# KiCad board Duet3_MB_6HC.kicad_pcb (continued)
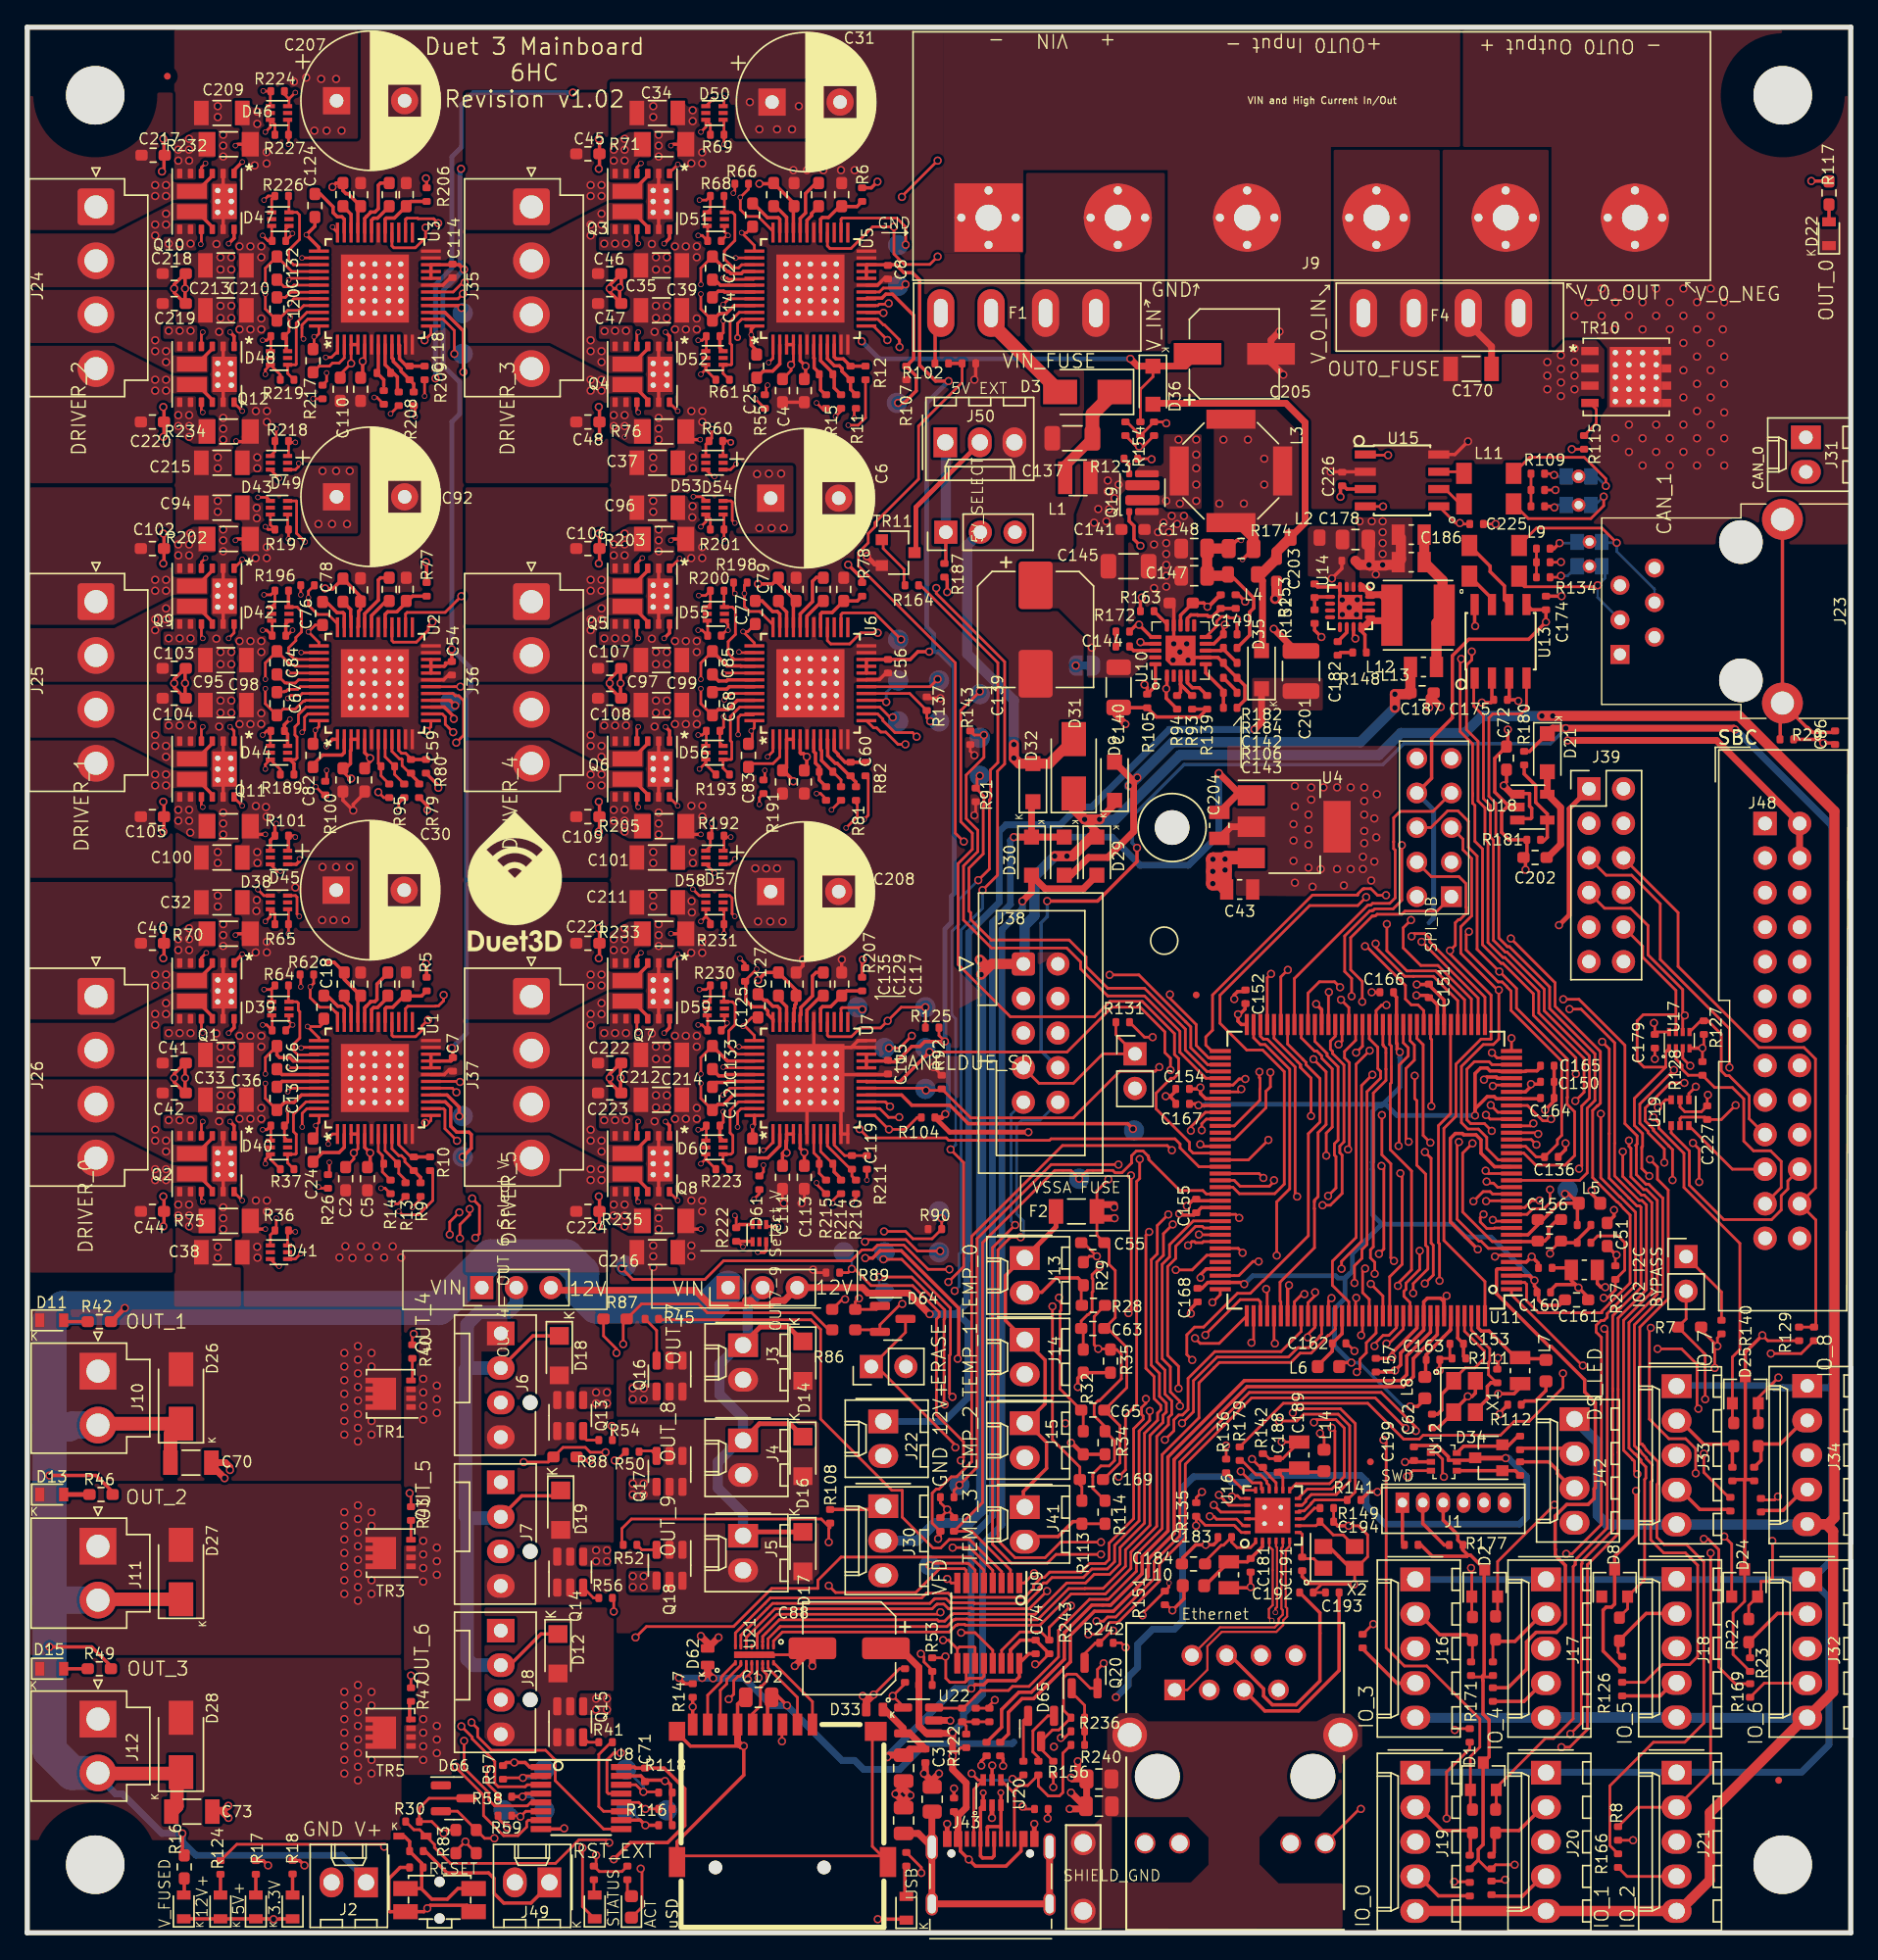
[diagram p0: board, top side]
## Copper pours and planes (outline as drawn; the poured copper is in the pictures) (continued)
+3.3V on Bottom: 90,79.8 90,75.5 100.5,75.5 100.5,74.5 134,74.5 134,32 110.1,32 109.9,30.9 98.6,30.9 98.6,33.5 85.3,33.5 85.3,22.4 82.4,22.4 77.3,13.4 70.6,13.4 70.6,79.8
/Power/5V_VCC on Top: 96.8,99.4 96.8,98.56 97.6,98.56 97.6,103.36 94.1,103.36 94.1,99.66
/Power/12v_cs on Top, Bottom: 94,109.7 94,103.4 87.2,103.4 87.2,112.2 91.5,112.2
/Power/12v_lx on Top, Bottom: 86.3,104.6 83.7,104.6 83.4,104.9 80.8,104.9 80.8,105.6 83.4,105.6 83.6,105.8 83.6,106.8 83.4,107 81.5,107 81.5,107.5 81.8,107.8 83.3,107.8 83.5,108 83.5,110.1 86.3,110.1
/Power/12v_sup on Top: 79.7,108.3 80.6,106.7 83.2,106.7 83.2,106 80.7,106 80.3,105.6 80.3,104.2 80.6,103.9 80.6,94.2 81,93.9 83.3,93.9 83.3,93.5 82.4,93.5 81.1,92.2 77.9,92.2 77.9,95.2 75.8,97.3 73.4,97.3 73.4,100.7 76.5,100.7 77.1,101.9 77.1,104.2 77.6,105.5 77.6,108.3
/Power/12v_sup on Bottom: 79.7,108.3 80.6,106.7 83.2,106.7 83.2,106 80.7,106 80.3,105.6 80.3,104.2 79.8,102.8 77.6,102.8 77.1,104.2 77.6,105.5 77.6,108.3
GND on Top: 105.3,131.2 95.8,131.2 95.8,116 112,116 113,117 115.3,117 115.9,116.3 115.9,112.2 113.1,107.9 104.7,107.9 104.7,104.6 94.3,104.6 94.3,109.9 91.4,112.6 83.8,112.6 83.8,129.5 73.2,129.5 73.2,123.4 67.3,123.4 67.3,140.1 105.3,140.1
GND on Top: 15.08,46 27.68,46 27.68,11.6 33.38,11.6 33.38,42.7 35.28,42.7 35.28,135.2 47.28,135.2 47.28,46 68.48,46 68.48,67.9 77.6,72.9 77.66,114.8 72.98,114.9 72.98,123.3 67.38,129.1 67.38,140.1 15.28,140.1
GND on Top: 88.18,87.2 100.68,87.2 100.68,76.1 88.18,76.2
GND on Top: 42.9,16 40.6,16 40.6,17.6 42.9,17.6
GND on Top: 44.2,33.4 46.5,33.4 46.5,31.8 44.2,31.8
GND on Top: 44.2,40.4 46.5,40.4 46.5,38.8 44.2,38.8
GND on Top: 83.7,104.4 85.1,104.4 85.7,103.8 85.7,96.6 85,95.9 85,94.8 84.8,94.6 81.7,94.6 80.9,95.1 80.9,104 81.5,104.3 81.5,104.6 81.6,104.7 83.4,104.7
GND on Top: 42.9,26.9 40.6,26.9 40.6,28.5 42.9,28.5
GND on Top: 42.9,38.5 40.6,38.5 40.6,40.1 42.9,40.1
GND on Top: 101.8,99.5 97.9,99.5 97.9,100.3 97.4,100.7 97.4,101 97.7,101 97.7,104 101.8,104
GND on Top: 44.2,26.6 46.5,26.6 46.5,25 44.2,25
GND on Bottom: 62.2,115.3 92.1,115.3 92.1,80 68,80 68.41,13.7 59.71,13.7 59.71,0 33.31,0.1 33.31,45.8 54.31,45.8 54.3,73.6 56.6,73.6 56.6,79 54.3,79 54.3,102.6 56.5,102.6 56.5,108 54.3,108 54.21,127.5 55.84,129.7 62.19,129.7
GND on Bottom: 22.3,49 32,49 32,135 30,135 22.2,127.3
GND on Bottom: 95.8,116 95.8,131.2 105.3,131.2 105.3,140.1 67.3,140.1 67.3,123.4 73.2,123.4 73.2,129.5 83.8,129.5 83.8,113 91.6,113 91.6,104.5 104.7,104.5 104.7,99.2 98.5,99.2 98.5,95.4 91.8,95.4 91.8,80.2 90.2,80.2 90.2,75.8 124.3,75.8 124.4,90.1 118.5,90.1 115.3,92.7 115.3,102.9 113.1,105.1 113.1,107.9 115.9,112.2 115.9,116.3 115.3,117 113,117 112,116
GND on Bottom: 104.5,99.4 97.7,99.4 99,97.9 99,97 97.8,95.6 92.3,95.6 92.3,103.2 94.2,103.2 94.2,104.3 104.5,104.3
GND on In2.Cu: 134,0 134,140 0,140 0.1,0
/Comms/SHIELD_GND on Top: 98.1,15.2 98.1,13.7 96.6,12.4 96.6,10.2 94.95,8.53 91.95,8.53 90.56,7.03 90.56,5.03 91.95,3.63 96.66,3.63 96.66,0.34 76.45,0.31 76.45,7.94 78.37,7.94 78.95,8.5 78.95,12.63 79.36,13.44 79.36,15.24 80.25,16.13 81.64,16.13 82.34,15.53 94.75,15.53 95.8,16.1 97.2,16.1
/Stepper Driver & Endstops/D0_SRAT on Top: 10.8,67.6 10.8,66.6 10,66.6 10,65.6 12.5,65.6 12.5,67.6
/Stepper Driver & Endstops/D0_SRAT on Top: 12.4,71.8 13,72.4 13.8,72.4 13.8,74.3 12.2,74.3 10.8,73.5 10.8,70.8 12.4,70.8
/Stepper Driver & Endstops/D0_SRAT on Bottom: 10.9,73.3 10.9,66.6 10,66.6 10,65.6 13.4,65.6 13.4,73.3
/Stepper Driver & Endstops/D0_SRBT on Top: 12.4,53.9 13,53.3 13.8,53.3 13.8,51.4 12.2,51.4 10.8,52.2 10.8,54.9 12.4,54.9
/Stepper Driver & Endstops/D0_SRBT on Top: 10.8,58.1 10.8,59.1 10,59.1 10,60.1 12.5,60.1 12.5,58.1
/Stepper Driver & Endstops/D0_SRBT on Bottom: 10.9,52.4 10.9,59.1 10,59.1 10,60.1 13.4,60.1 13.4,52.4
/Stepper Driver & Endstops/D1_SRAT on Top: 10.8,96.6 10.8,95.6 10,95.6 10,94.6 12.5,94.6 12.5,96.6
/Stepper Driver & Endstops/D1_SRAT on Top: 12.4,100.8 13,101.4 13.8,101.4 13.8,103.3 12.2,103.3 10.8,102.5 10.8,99.8 12.4,99.8
/Stepper Driver & Endstops/D1_SRAT on Bottom: 10.9,102.3 10.9,95.6 10,95.6 10,94.6 13.4,94.6 13.4,102.3
/Stepper Driver & Endstops/D1_SRBT on Top: 10.8,87.1 10.8,88.1 10,88.1 10,89.1 12.5,89.1 12.5,87.1
/Stepper Driver & Endstops/D1_SRBT on Top: 12.4,82.9 13,82.3 13.8,82.3 13.8,80.4 12.2,80.4 10.8,81.2 10.8,83.9 12.4,83.9
/Stepper Driver & Endstops/D1_SRBT on Bottom: 10.9,81.2 10.9,88.1 10,88.1 10,89.1 13.4,89.1 13.4,81.2
/Stepper Driver & Endstops/D2_SRAT on Top: 10.8,125.6 10.8,124.6 10,124.6 10,123.6 12.5,123.6 12.5,125.6
/Stepper Driver & Endstops/D2_SRAT on Top: 12.4,129.8 13,130.4 13.8,130.4 13.8,132.3 12.2,132.3 10.8,131.5 10.8,128.8 12.4,128.8
/Stepper Driver & Endstops/D2_SRAT on Bottom: 10.9,131.3 10.9,124.6 10,124.6 10,123.6 13.4,123.6 13.4,131.3
/Stepper Driver & Endstops/D2_SRBT on Top: 12.4,111.9 13,111.3 13.8,111.3 13.8,109.4 12.2,109.4 10.8,110.2 10.8,112.9 12.4,112.9
/Stepper Driver & Endstops/D2_SRBT on Top: 10.8,116.1 10.8,117.1 10,117.1 10,118.1 12.5,118.1 12.5,116.1
/Stepper Driver & Endstops/D2_SRBT on Bottom: 10.9,110.4 10.9,117.1 10,117.1 10,118.1 13.4,118.1 13.4,110.4
/Stepper Driver & Endstops/D3_SRAT on Top: 42.8,125.6 42.8,124.6 42,124.6 42,123.6 44.5,123.6 44.5,125.6
/Stepper Driver & Endstops/D3_SRAT on Top: 44.4,129.8 45,130.4 45.8,130.4 45.8,132.3 44.2,132.3 42.8,131.5 42.8,128.8 44.4,128.8
/Stepper Driver & Endstops/D3_SRAT on Bottom: 42.9,131.3 42.9,124.6 42,124.6 42,123.6 45.4,123.6 45.4,131.3
/Stepper Driver & Endstops/D3_SRBT on Top: 42.8,116.1 42.8,117.1 42,117.1 42,118.1 44.5,118.1 44.5,116.1
/Stepper Driver & Endstops/D3_SRBT on Top: 44.4,111.9 45,111.3 45.8,111.3 45.8,109.4 44.2,109.4 42.8,110.2 42.8,112.9 44.4,112.9
/Stepper Driver & Endstops/D3_SRBT on Bottom: 42.9,110.4 42.9,117.1 42,117.1 42,118.1 45.4,118.1 45.4,110.4
/Stepper Driver & Endstops/D4_SRAT on Top: 42.8,96.6 42.8,95.6 42,95.6 42,94.6 44.5,94.6 44.5,96.6
/Stepper Driver & Endstops/D4_SRAT on Top: 44.4,100.8 45,101.4 45.8,101.4 45.8,103.3 44.2,103.3 42.8,102.5 42.8,99.8 44.4,99.8
/Stepper Driver & Endstops/D4_SRAT on Bottom: 42.9,102.3 42.9,95.6 42,95.6 42,94.6 45.4,94.6 45.4,102.3
/Stepper Driver & Endstops/D4_SRBT on Top: 44.4,82.9 45,82.3 45.8,82.3 45.8,80.4 44.2,80.4 42.8,81.2 42.8,83.9 44.4,83.9
/Stepper Driver & Endstops/D4_SRBT on Top: 42.8,87.1 42.8,88.1 42,88.1 42,89.1 44.5,89.1 44.5,87.1
/Stepper Driver & Endstops/D4_SRBT on Bottom: 42.9,81.4 42.9,88.1 42,88.1 42,89.1 45.4,89.1 45.4,81.4
/Stepper Driver & Endstops/D5_SRAT on Top: 44.4,71.8 45,72.4 45.8,72.4 45.8,74.3 44.2,74.3 42.8,73.5 42.8,70.8 44.4,70.8
/Stepper Driver & Endstops/D5_SRAT on Top: 42.8,67.6 42.8,66.6 42,66.6 42,65.6 44.5,65.6 44.5,67.6
/Stepper Driver & Endstops/D5_SRAT on Bottom: 42.9,73.3 42.9,66.6 42,66.6 42,65.6 45.4,65.6 45.4,73.3
/Stepper Driver & Endstops/D5_SRBT on Top: 44.4,53.9 45,53.3 45.8,53.3 45.8,51.4 44.2,51.4 42.8,52.2 42.8,54.9 44.4,54.9
/Stepper Driver & Endstops/D5_SRBT on Top: 42.8,58.1 42.8,59.1 42,59.1 42,60.1 44.5,60.1 44.5,58.1
/Stepper Driver & Endstops/D5_SRBT on Bottom: 42.9,52.4 42.9,59.1 42,59.1 42,60.1 45.4,60.1 45.4,52.4
DRIVER_0_A1 on Top: 10.7,69.1 13.3,69.1 13.3,67.8 10.7,67.8 10.7,62.9 0.2,62.9 0.2,66.85 6.4,66.85
DRIVER_0_A1 on Bottom: 0.2,62.9 10.8,62.9 10.8,65.4 9.8,65.4 9.8,66.8 10.7,66.8 10.7,69.1 6.4,66.85 0.2,66.85
DRIVER_0_A2 on Top: 0.2,67.1 6.4,67.1 10.7,69.3 13.3,69.3 13.3,70.6 11.6,70.6 11.6,70.9 10.7,70.9 10.7,77.2 0.2,77.2
DRIVER_0_A2 on Bottom: 0.2,67.1 6.4,67.1 10.7,69.3 10.7,77.2 0.2,77.2
DRIVER_0_B1 on Top: 0.2,58.6 6.4,58.6 10.7,56.4 13.3,56.4 13.3,55.1 10.7,55.1 10.7,48.5 0.2,48.5
DRIVER_0_B1 on Bottom: 0.2,58.6 6.4,58.6 10.7,56.4 10.7,48.5 0.2,48.5
DRIVER_0_B2 on Top: 10.7,57.9 13.3,57.9 13.3,56.6 10.7,56.6 6.4,58.8 0.2,58.8 0.2,62.7 10.7,62.7
DRIVER_0_B2 on Bottom: 0.2,62.7 10.8,62.7 10.8,60.3 9.8,60.3 9.8,58.9 10.7,58.9 10.7,56.6 6.4,58.8 0.2,58.8
DRIVER_1_A1 on Top: 10.7,98.1 13.3,98.1 13.3,96.8 10.7,96.8 10.7,91.9 0.2,91.9 0.2,95.85 6.4,95.85
DRIVER_1_A1 on Bottom: 0.2,91.9 10.8,91.9 10.8,94.4 9.8,94.4 9.8,95.8 10.7,95.8 10.7,98.1 6.4,95.85 0.2,95.85
DRIVER_1_A2 on Top: 0.2,96.1 6.4,96.1 10.7,98.3 13.3,98.3 13.3,99.6 11.6,99.6 11.6,99.9 10.7,99.9 10.7,106.2 0.2,106.2
DRIVER_1_A2 on Bottom: 0.2,96.1 6.4,96.1 10.7,98.3 10.7,106.2 0.2,106.2
DRIVER_1_B1 on Top: 0.2,87.6 6.4,87.6 10.7,85.4 13.3,85.4 13.3,84.1 10.7,84.1 10.7,77.5 0.2,77.5
DRIVER_1_B1 on Bottom: 0.2,87.6 6.4,87.6 10.7,85.4 10.7,77.5 0.2,77.5
DRIVER_1_B2 on Top: 10.7,86.9 13.3,86.9 13.3,85.6 10.7,85.6 6.4,87.8 0.2,87.8 0.2,91.7 10.7,91.7
DRIVER_1_B2 on Bottom: 0.2,91.7 10.8,91.7 10.8,89.3 9.8,89.3 9.8,87.9 10.7,87.9 10.7,85.6 6.4,87.8 0.2,87.8
DRIVER_2_A1 on Top: 10.7,127.1 13.3,127.1 13.3,125.8 10.7,125.8 10.7,120.9 0.2,120.9 0.2,124.85 6.4,124.85
DRIVER_2_A1 on Bottom: 0.2,120.9 10.8,120.9 10.8,123.4 9.8,123.4 9.8,124.8 10.7,124.8 10.7,127.1 6.4,124.85 0.2,124.85
DRIVER_2_A2 on Top: 0.2,125.1 6.4,125.1 10.7,127.3 13.3,127.3 13.3,128.6 11.6,128.6 11.6,128.9 10.7,128.9 10.7,135.2 0.2,135.2
DRIVER_2_A2 on Bottom: 0.2,125.1 6.4,125.1 10.7,127.3 10.7,135.2 0.2,135.2
DRIVER_2_B1 on Top: 0.2,116.6 6.4,116.6 10.7,114.4 13.3,114.4 13.3,113.1 10.7,113.1 10.7,106.5 0.2,106.5
DRIVER_2_B1 on Bottom: 0.2,116.6 6.4,116.6 10.7,114.4 10.7,106.5 0.2,106.5
DRIVER_2_B2 on Top: 10.7,115.9 13.3,115.9 13.3,114.6 10.7,114.6 6.4,116.8 0.2,116.8 0.2,120.7 10.7,120.7
DRIVER_2_B2 on Bottom: 0.2,120.7 10.8,120.7 10.8,118.3 9.8,118.3 9.8,116.9 10.7,116.9 10.7,114.6 6.4,116.8 0.2,116.8
DRIVER_3_A1 on Top: 42.7,127.1 45.3,127.1 45.3,125.8 42.7,125.8 42.7,120.9 32.2,120.9 32.2,124.85 38.4,124.85
DRIVER_3_A1 on Bottom: 32.2,120.9 42.8,120.9 42.8,123.4 41.8,123.4 41.8,124.8 42.7,124.8 42.7,127.1 38.4,124.85 32.2,124.85
DRIVER_3_A2 on Top: 32.2,125.1 38.4,125.1 42.7,127.3 45.3,127.3 45.3,128.6 43.6,128.6 43.6,128.9 42.7,128.9 42.7,135.2 32.2,135.2
DRIVER_3_A2 on Bottom: 32.2,125.1 38.4,125.1 42.7,127.3 42.7,135.2 32.2,135.2
DRIVER_3_B1 on Top: 32.2,116.6 38.4,116.6 42.7,114.4 45.3,114.4 45.3,113.1 42.7,113.1 42.7,106.5 32.2,106.5
DRIVER_3_B1 on Bottom: 32.2,116.6 38.4,116.6 42.7,114.4 42.7,106.5 32.2,106.5
DRIVER_3_B2 on Top: 42.7,115.9 45.3,115.9 45.3,114.6 42.7,114.6 38.4,116.8 32.2,116.8 32.2,120.7 42.7,120.7
DRIVER_3_B2 on Bottom: 32.2,120.7 42.8,120.7 42.8,118.3 41.8,118.3 41.8,116.9 42.7,116.9 42.7,114.6 38.4,116.8 32.2,116.8
DRIVER_4_A1 on Top: 42.7,98.1 45.3,98.1 45.3,96.8 42.7,96.8 42.7,91.9 32.2,91.9 32.2,95.85 38.4,95.85
DRIVER_4_A1 on Bottom: 32.2,91.9 42.8,91.9 42.8,94.4 41.8,94.4 41.8,95.8 42.7,95.8 42.7,98.1 38.4,95.85 32.2,95.85
DRIVER_4_A2 on Top: 32.2,96.1 38.4,96.1 42.7,98.3 45.3,98.3 45.3,99.6 43.6,99.6 43.6,99.9 42.7,99.9 42.7,106.2 32.2,106.2
DRIVER_4_A2 on Bottom: 32.2,96.1 38.4,96.1 42.7,98.3 42.7,106.2 32.2,106.2
DRIVER_4_B1 on Top: 32.2,87.6 38.4,87.6 42.7,85.4 45.3,85.4 45.3,84.1 42.7,84.1 42.7,77.5 32.2,77.5
DRIVER_4_B1 on Bottom: 32.2,87.6 38.4,87.6 42.7,85.4 42.7,77.5 32.2,77.5
DRIVER_4_B2 on Top: 42.7,86.9 45.3,86.9 45.3,85.6 42.7,85.6 38.4,87.8 32.2,87.8 32.2,91.7 42.7,91.7
DRIVER_4_B2 on Bottom: 32.2,91.7 42.8,91.7 42.8,89.3 41.8,89.3 41.8,87.9 42.7,87.9 42.7,85.6 38.4,87.8 32.2,87.8
DRIVER_5_A1 on Top: 42.7,69.1 45.3,69.1 45.3,67.8 42.7,67.8 42.7,62.9 32.2,62.9 32.2,66.85 38.4,66.85
DRIVER_5_A1 on Bottom: 32.2,62.9 42.8,62.9 42.8,65.4 41.8,65.4 41.8,66.8 42.7,66.8 42.7,69.1 38.4,66.85 32.2,66.85
DRIVER_5_A2 on Top: 32.2,67.1 38.4,67.1 42.7,69.3 45.3,69.3 45.3,70.6 43.6,70.6 43.6,70.9 42.7,70.9 42.7,77.2 32.2,77.2
DRIVER_5_A2 on Bottom: 32.2,67.1 38.4,67.1 42.7,69.3 42.7,77.2 32.2,77.2
DRIVER_5_B1 on Top: 32.2,58.6 38.4,58.6 42.7,56.4 45.3,56.4 45.3,55.1 42.7,55.1 42.7,48.5 32.2,48.5
DRIVER_5_B1 on Bottom: 32.2,58.6 38.4,58.6 42.7,56.4 42.7,51.5 32.2,51.5
DRIVER_5_B2 on Top: 42.7,57.9 45.3,57.9 45.3,56.6 42.7,56.6 38.4,58.8 32.2,58.8 32.2,62.7 42.7,62.7
DRIVER_5_B2 on Bottom: 32.2,62.7 42.8,62.7 42.8,60.3 41.8,60.3 41.8,58.9 42.7,58.9 42.7,56.6 38.4,58.8 32.2,58.8
OUT_0_NEG on Top: 112.8,107.1 116.1,112.1 116.1,116.4 112,116.4 112,131.2 105.5,131.2 105.5,140.1 134.2,140.1 134.2,102 115.5,102 112.9,104.7
OUT_0_NEG on Bottom: 113.4,105.1 110.7,107.7 108.7,107.7 108.7,116 112,116 112,131.2 105.5,131.2 105.5,140.1 134.2,140.1 134.2,102 115.5,102 115.5,102.9
OUT_1_NEG on Top: 0.1,45.8 27.5,45.8 27.5,33.2 0.1,33.2
OUT_1_NEG on Bottom: 4.8,43.4 16.6,43.4 17.5,44.4 31,44.4 31,33.2 4.8,33.2
OUT_2_NEG on Top: 0.1,33 27.5,33 27.5,20.4 0,20.4
OUT_2_NEG on Bottom: 4,33 31,33 31,20.4 4,20.4
OUT_3_NEG on Top: 0,20.2 27.5,20.2 27.5,6.8 0,6.8
OUT_3_NEG on Bottom: 4,20.2 31,20.2 31,5.8 4,5.8
OUT_4_NEG on Top: 33.6,45.7 43.1,45.7 43.1,35.1 33.6,35.1
OUT_5_NEG on Top: 33.6,34.9 43.1,34.9 43.1,24.1 33.6,24.1
OUT_6_NEG on Top: 33.6,23.9 43.1,23.9 43.1,13.1 33.6,13.1
OUT_7_NEG on Top: 43.3,37.9 43.3,45.7 58.2,45.7 58.2,37.9
OUT_8_NEG on Top: 43.3,30.3 43.3,37.7 58.2,37.7 58.2,30.3
OUT_9_NEG on Top: 43.3,22 43.3,30.1 58.2,30.1 58.2,22
V_FUSED on Top: 42.8,136 42.8,46 47.8,46 47.8,53.8 47.5,54.1 47.5,58.9 47.3,60 47.3,65.7 47.5,66.8 47.5,71.6 47.8,71.9 47.8,76.3 52.1,76.3 52.1,73.8 56.4,73.8 56.4,78.8 51.7,78.8 51.7,78.1 47.8,78.1 47.8,82.8 47.5,83.1 47.5,87.9 47.3,89 47.3,94.7 47.5,95.8 47.5,100.6 47.8,100.9 47.8,105.3 52.1,105.3 52.1,102.8 56.3,102.8 56.3,107.8 51.6,107.8 51.6,107.1 47.8,107.1 47.8,111.8 47.5,112.1 47.5,116.9 47.3,118 47.3,123.7 47.5,124.8 47.5,129.6 47.8,129.9 47.8,134.3 52,134.3 52,131.8 57.3,131.8 57.3,136
V_FUSED on Top: 10.8,139.8 10.8,46 15.7,46 15.7,53.8 15.4,54.1 15.4,58.9 15.2,60 15.2,65.7 15.4,66.8 15.4,71.6 15.7,71.9 15.7,76.3 20,76.3 20,73.8 24.3,73.8 24.3,78.8 19.6,78.8 19.6,78.1 15.7,78.1 15.7,82.8 15.4,83.1 15.4,87.9 15.2,89 15.2,94.7 15.4,95.8 15.4,100.6 15.7,100.9 15.7,105.3 20,105.3 20,102.8 24.3,102.8 24.3,107.8 19.6,107.8 19.6,107.1 15.7,107.1 15.7,111.8 15.4,112.1 15.4,116.9 15.2,118 15.2,123.7 15.4,124.8 15.4,129.6 15.7,129.9 15.7,134.3 20,134.3 20,131.8 24.3,131.8 24.3,139.8
V_FUSED on Bottom: 67.1,123.57 73.1,123.57 73.1,114.97 62.3,114.97 62.3,130.37 55.7,130.37 54,128.17 54,107.8 56.3,107.8 56.3,102.8 54,102.8 54,78.8 56.4,78.8 56.4,73.8 54,73.8 54,46.17 42.8,46.17 42.8,46.37 41.5,46.37 39.3,48.57 35.9,48.57 33.7,46.37 33.1,46.37 33.1,44.97 17.3,44.97 16.5,44.07 4.6,44.07 4.6,34.37 3.8,33.47 3.8,13.47 6.2,13.47 6.6,13.07 6.6,10.77 6.3,10.47 0.2,10.47 0.2,48.07 10.8,48.07 10.8,140.17 67.1,140.17 ; 1 cut-out
V_IN on Top: 83.6,129.4 73.3,129.4 73.3,117 74,116.2 83.6,116.2
V_IN on Bottom: 83.6,129.4 73.3,129.4 73.3,117 74,116.2 83.6,116.2
V_OUT0_IN on Top: 103.8,116.2 103.8,131 96,131 96,116.2
V_OUT0_IN on Bottom: 103.8,116.2 103.8,131 96,131 96,116.2
V_OUT0_OUT on Top: 111.8,116.2 111.8,131 104,131 104,116.2
V_OUT0_OUT on Bottom: 111.8,116.2 111.8,131 104,131 104,116.2

## Text on the board
B.Mask: www.duet3d.com
B.Silkscreen: +5V / DS DO / DS CK / GND | 5V: See / Documentation | 3.3V / IO_7_IN / GND / IO_7_OUT / 5V | Open to / remove CAN0 / termination | Open to / remove CAN1 / termination | OUT_3 | OUT_1 | OUT_2 | 2_A+ / 2_A- / 2_B+ / 2_B- | 1_A+ / 1_A- / 1_B+ / 1_B- | 0_A+ / 0_A- / 0_B+ / 0_B- | RESET | GND / V_ OUTLC1 / OUT4_TACHO / OUT4_NEG | GND / V_ OUTLC1 / OUT6_TACHO / OUT6_NEG | GND / V_ OUTLC1 / OUT5_TACHO / OUT5_NEG | RESET_EXT | 5_A+ / 5_A- / 5_B+ / 5_B- | 3_A+ / 3_A- / 3_B+ / 3_B- | 4_A+ / 4_A- / 4_B+ / 4_B- | V_ OUTLC2 / OUT8_NEG | V_ OUTLC2 / OUT9_NEG | V_ OUTLC2 / OUT7_NEG | uSD | OUT9 / BUFF / 5V / GND | 12V / GND | ERASE | VSSA / THERM_3 | VSSA / THERM_2 | VSSA / THERM_1 | VSSA / THERM_0 | 5V_EXT | U0_CS4 | TXD0 | PD_SD_CD | IO_0_IN | PANELDUE | 3.3V / IO_0_IN / GND / IO_0_OUT / 5V | 3.3V / IO_3_IN / GND / IO_3_OUT / 5V | SPI_DB | U0_CS3  NC / U0_CS2  +3.3V / MOSI    MISO / U0_CS0  SCK / U0_CS1  GND | SWD | 3.3V / IO_1_IN / GND / IO_1_OUT / 5V | 3.3V / IO_4_IN / GND / IO_4_OUT / 5V | +3.3V | SPI1_MOSI / BUFF | SPI1_MISO | SPI1_SPCK / BUFF | UTXD4 | URXD4 | ESP | 3.3V / IO_5_IN / GND / IO_5_OUT / 5V | 3.3V / IO_2_IN / GND / IO_2_OUT / 5V | SBC_3.3V / MOSI / MISO / SPCK / GND | 3.3V / IO_8_IN / GND / IO_8_OUT / 5V | 3.3V / IO_6_IN / GND / IO_6_OUT / 5V | SBC | VIN_FUSE | VIN | OUT0 / INPUT | OUT0_FUSE | OUT0 / OUTPUT | OUT3_NEG / V_FUSED | OUT1_NEG / V_FUSED | OUT2_NEG / V_FUSED | GND | SCK0 | RXD0 | 3.3V / EXT | IO_0 / OUT | CAN1_H | IO2 I2C / BYPASS | SPI1_DATA / RDY | CS0 | ESP_DATA / RDY | ESP_EN | CAN1_L | CAN0_H | CAN0_L | 26   25 | 2   1 | GND / CS0 | DAT / RDY | 5V / 5V / GND | STATUS | ACT | USB | EXT_5V / IN | EXT_5V_SELECT | PS_ON / SW | 5V_SBC | V_FUSED | +12V | +5V | V_FUSED / GND | 12V / V_OUTLC2 / V_FUSED | OUT_6 | OUT_4 | OUT_5 | 12V / V_OUTLC1 / V_FUSED | OUT_9 | OUT_7 | OUT_8 | TEMP0 | TEMP1 | TEMP3 | TEMP4 | SHEILD / GND | TD+ | TD- | RD+ | RD- | SWDIO | SWCLK | 3.3V | SWD_EXT_RST | IO_7 | IO_6 | IO_8 | V_IN | V_OUT0_IN | V_OUT0_OUT | V_OUT0_NEG | V_IN / V_FUSED | V_OUT0_OUT / V_OUT0_IN | DRIVER_1 | DRIVER_2 | DRIVER_0 | DRIVER_3 | DRIVER_4 | DRIVER_5 | IO_3 | IO_0 | IO_4 | IO_1 | IO_5 | IO_2 | CAN1 | CAN0 | Duet 3 Mainboard 6HC / Revision  v1.02 | - | +
F.Silkscreen: GND | uSD | IO2 I2C / BYPASS | VIN | 12V | V_0_OUT | V_0_NEG | V_IN | V_0_IN | +   VIN   - | +OUT0 Input - | - OUT0 Output + | Duet 3 Mainboard / 6HC / Revision v1.02
